# Altium PCB SI944D.PcbDoc (part 4 of 5) (continued)
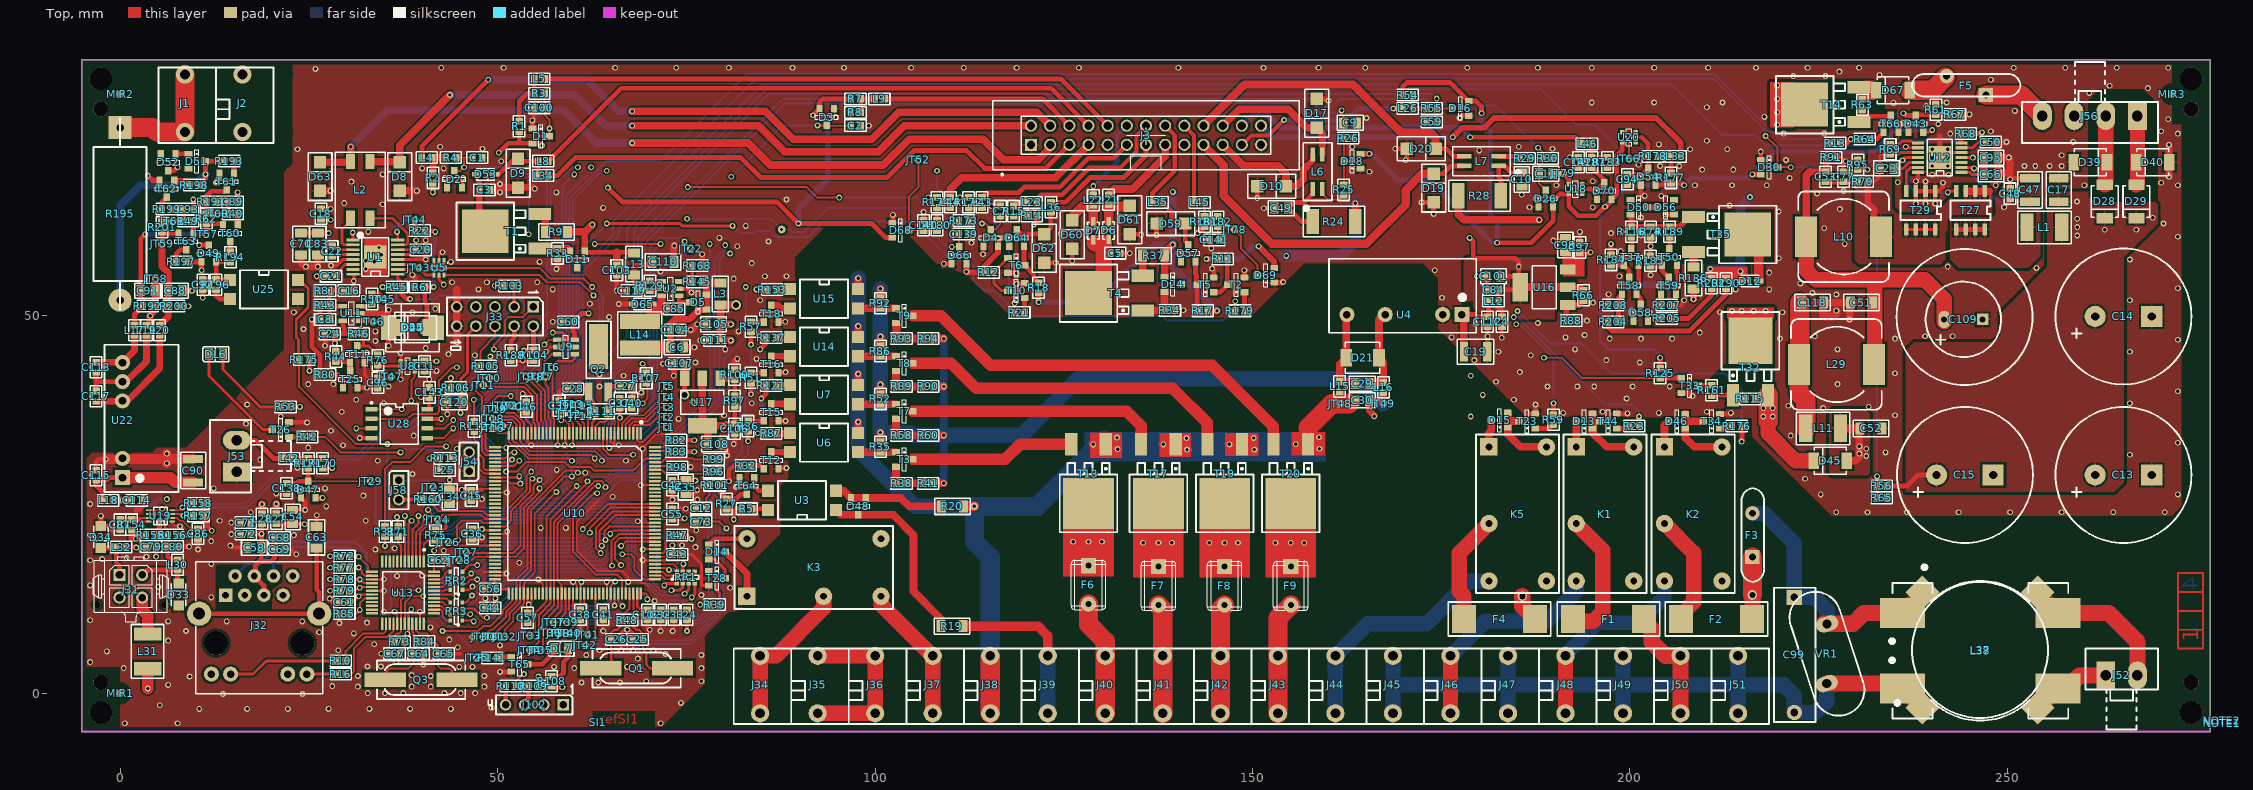
[diagram p0: Top view]
## Nets (pads, with @x,y where several pads share a name; then routed paths per layer and width w, separated by ;. In a path a pad name is that pad's centre, name@x,y a point inside that pad or via, vN(x,y) a via of type N, cw(c..) or ccw(c..) an arc to the next point about the centre after c; other vN are vias at no path point) (continued)
SIGNAL_DETECT_PRESENCE_2: J3.6 L9.1 | length 25.9
  Top w0.635: L9.1@101.255,78.74 122.18,78.74 J3.6@125.73,75.19
TELEINFO_A: J1.1 J1.2 R195.1 | length 16.4
  Top w2.54: R195.1@0,74.93 4.286,74.93 4.866,74.35 J1.1@8.58,74.35 J1.2@8.58,81.97
UC_24V_MON: D30.3 JT28.1 R56.1 R65.2 U10.66 | length 280
  Top w0.254: JT28.1@44.926,17.621 46.514,17.621 46.985,18.093 U10.66@49.632,18.093 52.383,18.093 53.499,19.209 53.499,24.606 55.562,26.67 v1(55.562,27.146) ; v1(217.964,73.819) 219.54,72.242 D30.3@219.54,69.691 v1(221.297,69.691)
  Top w0.508: R65.2@232.692,25.876 R56.1@232.692,27.464 232.692,28.539 232.727,28.575 v1(232.727,28.734)
  Bottom w0.254: v1(55.562,27.146) 56.674,28.258 56.674,36.989 60.874,41.189 60.874,56.302 65.278,60.706 65.278,62.484 84.201,81.407 211.01,81.407 217.964,74.454 v1(217.964,73.819) ; v1(221.297,69.691) 227.171,69.691 232.727,64.135 v1(232.727,28.734)
UC_+15VSP: JT23.1 R160.2 U10.55 | length 11.3
  Top w0.254: R160.2@41.469,25.717 41.469,24.888 42.227,24.13 48.101,24.13 48.638,23.593 U10.55@49.632,23.593
  Top w0.381: JT23.1@41.434,27.464 41.469,27.428 JT23.1@41.469,27.305 R160.2@41.469,25.717
UC_ALLPST: J33.5 U10.42 | length 31.6
  Top w0.254: U10.42@49.632,30.093 52.159,30.093 v1(52.864,30.797)
  Bottom w0.254: J33.5@49.657,51.181 48.419,49.943 48.419,47.625 49.054,46.99 50.006,46.99 50.454,46.542 50.454,41.088 47.149,37.782 47.149,33.972 50.969,30.152 52.218,30.152 v1(52.864,30.797)
UC_BATT_CTRL: JT24.1 R13.1 R64.1 U10.56 | length 238.4
  Top w0.254: JT24.1@42.069,23.019 42.704,23.654 47.784,23.654 48.345,23.093 U10.56@49.632,23.093 51.033,23.093 51.276,23.336 51.276,24.289 53.816,26.829 53.816,28.734 v1(54.451,29.369)
  Top w0.635: R13.1@227.842,72.866 228.695,72.866 v1(229.235,73.406) R64.1@230.434,73.406
  Bottom w0.254: v1(54.451,29.369) 55.245,30.162 55.245,37.465 59.531,41.751 59.531,65.564 64.453,70.485 71.501,70.485 83.058,82.042 211.169,82.042 219.805,73.406 v1(229.235,73.406)
UC_COMMANDE_SIRENE_EXT: JT22.1 R21.1 U10.11 | length 98.4
  Top w0.254: U10.11@63.982,34.443 63.982,32.379 64.77,31.591 v1(67.945,31.591) ; R21.1@118.455,50.419 118.491,50.455 v1(118.491,51.689)
  MidLayer1 w0.254: JT22.1@75.565,58.896 85.407,68.739 107.728,68.739 v1(108.204,69.215)
  Bottom w0.254: v1(67.945,31.591) 67.945,32.226 71.12,35.401 71.12,54.451 JT22.1@75.565,58.896 ; v1(108.204,69.215) 108.204,67.056 111.633,63.627 114.427,63.627 117.729,60.325 117.729,53.34 118.491,52.578 v1(118.491,51.689)
UC_COMMANDE_SIRENE_INT: JT27.1 R179.1 U10.65 | length 149.5
  Top w0.254: JT27.1@45.847,18.669 45.923,18.593 U10.65@49.632,18.593 52.089,18.593 53.023,19.526 53.023,24.765 54.769,26.511 54.769,27.464 v1(55.562,28.258) ; R179.1@147.665,50.673 147.701,50.709 v1(147.701,51.943)
  Top w0.381: v1(64.453,62.23) 74.136,62.23 74.454,61.912 v1(81.121,61.912)
  Bottom w0.254: v1(55.562,28.258) 56.197,28.892 56.197,37.148 60.47,41.42 60.47,58.247 v1(64.453,62.23) ; v1(81.121,61.912) 82.074,60.96 83.947,60.96 84.201,61.214 86.106,61.214 86.868,60.452 91.186,60.452 93.218,62.484 104.902,62.484 110.109,57.277 112.268,57.277 113.03,56.515 113.03,54.737 114.427,53.34 115.824,53.34 119.197,49.967 138.049,49.967 138.613,49.403 146.177,49.403 147.701,50.927 v1(147.701,51.943)
UC_COMPTEUR_GAZ: JT66.1 U10.103 U20.4 | length 211.1
  Top w0.254: v1(63.182,26.511) 62.706,26.511 60.008,23.812 60.008,18.732 63.024,15.716 65.881,15.716 66.482,15.115 U10.103@66.482,13.243 ; U20.4@198.966,74.31 199.866,73.41 JT66.1@199.866,70.802
  Bottom w0.254: v1(63.182,26.511) 62.706,26.511 62.389,26.194 59.214,26.194 58.579,26.829 58.579,31.274 59.372,32.067 60.325,32.067 62.706,34.449 62.706,42.862 67.151,47.307 67.151,61.563 85.598,80.01 188.214,80.01 192.913,75.311 195.358,75.311 JT66.1@199.866,70.802
UC_CUMULUS: JT34.1 R176.1 U10.84 | length 229.1
  Top w0.254: JT34.1@54.292,5.715 55.499,6.921 55.499,10.414 56.982,11.897 U10.84@56.982,13.243 56.982,23.01 61.912,27.94 v1(61.912,28.099)
  Top w0.635: v1(214.789,33.337) 214.824,33.373 R176.1@214.824,35.401
  MidLayer1 w0.254: v1(78.105,59.531) 78.105,60.452 85.915,68.263 123.634,68.263 128.524,63.373 144.018,63.373 147.066,60.325 148.082,60.325 149.511,61.754 171.609,61.754 178.911,54.451 180.181,54.451 183.991,50.641 v1(185.102,50.641)
  Bottom w0.254: v1(61.912,28.099) 62.465,28.651 64.37,28.651 65.405,29.686 68.421,29.686 78.105,39.37 v1(78.105,59.531) ; v1(185.102,50.641) 189.389,46.355 193.516,46.355 197.485,42.386 212.566,42.386 214.789,40.164 v1(214.789,33.337)
UC_DEBUG_RX: R109.1 U10.102 | length 29
  Top w0.254: v1(55.404,2.222) 55.439,2.187 R109.1@55.439,0.953 ; U10.102@65.982,13.243 65.982,12.123 v1(66.548,11.557)
  Bottom w0.254: v1(55.404,2.222) 54.769,1.587 53.023,1.587 52.546,2.064 52.546,8.096 56.039,11.589 63.976,11.589 64.77,12.383 66.199,12.383 66.548,12.033 v1(66.548,11.557)
UC_DEBUG_TX: R110.1 U10.101 | length 23.5
  Top w0.254: R110.1@52.423,0.953 52.423,1.623 53.34,2.54 v1(53.499,2.54) ; v1(65.482,11.634) U10.101@65.482,13.243
  Bottom w0.254: v1(53.499,2.54) 53.657,2.54 53.023,3.175 53.023,7.938 56.197,11.112 64.96,11.112 v1(65.482,11.634)
UC_DETECT_FUITE_1: C9.2 D18.3 JT30.1 R25.1 R26.2 U10.75 | length 173.3
  Top w0.254: JT30.1@48.101,7.461 49.054,8.414 49.371,8.414 51.117,10.16 51.117,10.795 52.482,12.16 U10.75@52.482,13.243 52.482,15.081 53.975,16.574 53.975,24.447 59.055,29.527 60.325,29.527 v1(60.642,29.21) ; v1(161.798,77.216) 161.798,76.683 162.027,76.454 C9.2@162.027,75.565 162.027,73.543 R26.2@162.016,73.533 162.095,73.454 162.095,67.389 R25.1@162.052,67.346
  Bottom w0.254: v1@60.642,29.051 v1(60.642,29.21) 60.642,29.972 65.491,34.821 65.491,42.069 69.532,46.11 69.532,59.627 88.011,78.105 155.829,78.105 157.048,76.886 161.468,76.886 v1(161.798,77.216)
UC_DETECT_FUITE_2: C11.2 D26.3 JT31.1 R29.1 R30.2 U10.76 | length 199.4
  Top w0.254: JT31.1@49.498,7.461 49.498,7.747 51.594,9.842 51.594,10.636 52.982,12.025 U10.76@52.982,13.243 52.982,14.922 54.451,16.392 54.451,24.289 58.896,28.734 v1(59.849,28.734) ; R29.1@186.726,70.866 R30.2@188.432,70.866 ; v1(187.833,72.263) 188.432,71.664 R30.2@188.432,70.866 ; D26.3@188.849,66.632 187.935,67.546 C11.2@187.935,68.834 187.96,68.859 187.96,69.723 188.432,70.195 R30.2@188.432,70.866
  Bottom w0.254: v1(59.849,28.734) 59.849,29.75 65.087,34.989 65.087,42.236 69.056,46.205 69.056,59.976 87.82,78.74 157.226,78.74 158.242,77.724 160.528,77.724 161.544,78.74 172.847,78.74 173.736,77.851 182.245,77.851 v1(187.833,72.263)
UC_DETECT_PLUIE: C59.1 D16.3 JT37.1 R55.2 U10.87 | length 183.9
  Top w0.254: JT37.1@57.404,9.398 57.404,9.906 58.482,10.984 U10.87@58.482,13.243 58.482,14.351 57.944,14.889 57.944,22.543 62.865,27.464 v1(63.341,27.464) ; C59.1@174.407,75.692 R55.2@174.407,77.47 ; v1(174.407,78.776) R55.2@174.407,77.47 ; D16.3@176.446,77.47 R55.2@174.407,77.47
  Bottom w0.254: v1(63.341,27.464) 62.865,27.464 62.071,26.67 59.531,26.67 59.055,27.146 59.055,31.115 59.531,31.591 60.484,31.591 64.185,35.292 64.185,42.595 68.104,46.514 68.104,61.627 85.852,79.375 173.807,79.375 v1(174.407,78.776)
UC_DETECT_VENT: JT79.1 U10.58 U18.4 | length 185.2
  Top w0.254: U10.58@49.632,22.093 50.985,22.093 51.752,22.86 51.752,24.13 54.292,26.67 54.292,28.099 v1(54.61,28.416)
  Top w0.635: JT79.1@191.135,68.897 191.911,68.122 U18.4@191.911,67.477
  MidLayer1 w0.254: v1(64.453,69.215) 64.442,69.215 64.918,69.691 106.521,69.691 107.696,70.866 111.093,70.866 112.268,69.691 129.032,69.691 130.778,67.945 187.452,67.945 188.404,68.897 JT79.1@191.135,68.897
  Bottom w0.254: v1(54.61,28.416) 55.721,29.527 55.721,37.306 60.008,41.593 60.008,65.405 63.817,69.215 v1(64.453,69.215)
UC_EV: JT36.1 R39.1 U10.86 | length 30.5
  Top w0.254: JT36.1@56.896,8.001 56.515,8.382 56.515,9.906 57.982,11.373 U10.86@57.982,13.243 ; v1(76.835,11.747) R39.1@78.069,11.747
  Bottom w0.254: JT36.1@56.896,8.001 56.356,8.541 56.356,9.684 57.339,10.666 75.754,10.666 v1(76.835,11.747)
UC_FEC_COL: U10.109 U13.42 | length 34.6
  Top w0.254: U13.42@41.586,13.085 44.344,13.085 v1(44.552,12.878) ; v1(66.516,18.415) 67.627,18.415 68.104,17.939 68.104,16.363 69.374,15.093 U10.109@70.832,15.093
  Bottom w0.254: v1(44.552,12.878) 45.415,12.014 46.812,12.014 49.022,14.224 51.943,14.224 54.737,17.018 64.008,17.018 65.405,18.415 v1(66.516,18.415)
UC_FEC_CRS: RR3.5 U10.108 | length 28.5
  Top w0.254: U10.108@68.982,13.243 69.625,13.243 69.85,13.018 v1(69.85,12.446)
  Top w0.305: RR3.5@45.326,11.246 46.857,11.246 48.101,10.001 v1(48.578,10.001)
  Bottom w0.254: v1(48.578,10.001) 50.8,10.001
  Bottom w0.305: 50.8,10.001 54.292,13.494 68.802,13.494 v1(69.85,12.446)
UC_FEC_MDC: U10.128 U13.31 | length 41.5
  Top w0.254: U13.31@37.715,9.214 37.715,11.997 38.576,12.859 v1(40.164,12.859) ; v1(62.23,21.273) 62.23,21.894 64.929,24.593 U10.128@70.832,24.593
  Bottom w0.254: v1(40.164,12.859) 40.64,13.335 42.545,13.335 49.244,20.034 60.992,20.034 v1(62.23,21.273)
UC_FEC_MDIO: R73.1 U10.129 U13.30 | length 45.4
  Top w0.254: R73.1@36.354,6.826 36.354,7.62 36.671,7.938 36.989,7.938 37.215,8.164 U13.30@37.215,9.214 37.215,12.383 38.485,13.652 v1(39.529,13.652) ; v1(61.277,21.749) 64.622,25.093 U10.129@70.832,25.093
  Bottom w0.254: v1(39.529,13.652) 39.846,13.97 42.418,13.97 48.99,20.542 60.706,20.542 61.277,21.114 v1(61.277,21.749)
UC_FEC_RXCLK: RR3.1 U10.120 | length 33
  Top w0.254: RR3.1@45.326,9.646 46.71,9.646 v1(46.831,9.525) ; v1(66.358,16.986) 65.564,17.78 65.564,19.958 66.199,20.593 U10.120@70.832,20.593
  Bottom w0.254: v1(46.831,9.525) 48.482,11.176 50.324,11.176 55.181,16.034 65.405,16.034 v1(66.358,16.986)
UC_FEC_RXD0: RR2.7 U10.122 | length 27.8
  Top w0.254: v1(64.929,21.114) 65.408,21.593 U10.122@70.832,21.593
  Top w0.305: RR2.7@45.339,16.116 46.209,16.986 v1(47.307,16.986)
  Bottom w0.254: v1(47.307,16.986) 49.847,19.526 61.595,19.526 63.182,21.114 v1(64.929,21.114)
UC_FEC_RXD1: RR2.5 U10.123 | length 29.2
  Top w0.254: RR2.5@45.339,15.316 45.955,15.316 v1(46.514,15.875) ; v1(64.294,20.32) 64.135,20.479 64.135,21.458 64.77,22.093 U10.123@70.832,22.093
  Bottom w0.254: v1(46.514,15.875) 46.831,16.192 47.625,16.192 50.482,19.05 61.912,19.05 63.182,20.32 v1(64.294,20.32)
UC_FEC_RXD2: RR2.3 U10.126 | length 30.9
  Top w0.254: RR2.3@45.339,14.516 45.891,14.516 46.457,15.081 v1(47.307,15.081) ; v1(63.817,19.526) 63.5,19.844 63.5,21.529 65.564,23.593 U10.126@70.832,23.593
  Bottom w0.254: v1(47.307,15.081) 50.8,18.574 62.23,18.574 63.182,19.526 v1(63.817,19.526)
UC_FEC_RXD3: RR2.1 U10.127 | length 32.6
  Top w0.254: v1(63.659,18.574) 63.024,19.209 63.024,21.87 65.246,24.093 U10.127@70.832,24.093
  Top w0.305: RR2.1@45.339,13.716 46.26,13.716 v1(46.672,14.129)
  Bottom w0.254: v1(46.672,14.129) 47.307,14.129 51.276,18.098 63.182,18.098 v1(63.659,18.574)
UC_FEC_RXDV: RR3.3 U10.121 | length 32
  Top w0.254: RR3.3@45.326,10.446 46.361,10.446 v1(46.38,10.465) ; v1(65.167,16.907) 65.246,16.986 65.087,17.145 65.087,20.14 66.04,21.093 U10.121@70.832,21.093
  Bottom w0.254: v1(46.38,10.465) 47.6,11.684 50.102,11.684 54.927,16.51 64.77,16.51 v1(65.167,16.907)
UC_FEC_RXER: RR3.7 U10.119 | length 28.9
  Top w0.254: RR3.7@45.326,12.046 45.828,12.046 46.609,12.827 v1(46.609,12.954) ; v1@66.373,19.51 66.956,20.093 U10.119@70.832,20.093
  Bottom w0.254: v1(46.609,12.954) 46.863,12.954 48.768,14.859 51.816,14.859 54.483,17.526 63.881,17.526 65.881,19.526 v1(66.358,19.526)
UC_FEC_TXCLK: R75.1 U10.117 | length 33.8
  Top w0.254: v1(69.215,19.05) 69.258,19.093 U10.117@70.832,19.093
  Top w0.381: R75.1@41.783,21.626 42.898,21.626 43.18,21.907 v1(43.18,22.86)
  Bottom w0.254: v1(43.18,22.86) 44.074,23.754 53.314,23.754 53.95,24.389 65.304,24.389 69.215,20.479 v1(69.215,19.05)
UC_FEC_TXD0: RR1.1 U13.3 | length 47
  Top w0.254: U13.3@39.215,17.456 39.215,21.308 40.164,22.257 40.164,23.019 v1(40.481,23.336)
  Top w0.381: v1(72.072,14.287) 72.352,14.567 RR1.1@73.73,14.567
  Bottom w0.254: v1(40.481,23.336) 41.116,23.336 41.938,24.158 53.147,24.158 53.783,24.793 65.535,24.793 71.12,19.209 71.12,15.875 72.072,14.922 v1(72.072,14.287)
UC_FEC_TXD1: RR1.3 U13.4 | length 50.6
  Top w0.254: U13.4@38.715,17.456 38.715,21.697 39.497,22.479 v1@39.497,23.495
  Top w0.381: v1(73.025,13.652) 74.136,13.652 74.53,14.046 RR1.3@74.53,14.567
  Bottom w0.254: v1@39.497,23.495 v1@39.529,23.463 ; v1(39.529,23.495) v1@39.529,23.463 ; v1(73.025,13.652) 72.866,13.494 71.755,13.494 68.199,17.05 68.199,20.891 65.105,23.985 54.117,23.985 53.482,23.35 45.099,23.35 43.815,22.066 40.164,22.066 39.529,22.701 v1@39.529,23.463
UC_FEC_TXD2: RR1.5 U13.5 | length 51.5
  Top w0.254: U13.5@38.215,17.456 38.215,22.467 v1(38.608,22.86)
  Top w0.381: v1(74.771,13.176) 75.33,13.735 RR1.5@75.33,14.567
  Bottom w0.254: v1(38.608,22.86) 39.878,21.59 43.974,21.59 45.33,22.946 53.649,22.946 54.284,23.581 64.937,23.581 67.786,20.733 67.786,16.828 71.66,12.954 74.549,12.954 v1(74.771,13.176)
UC_FEC_TXD3: RR1.7 U13.6 | length 56.3
  Top w0.254: U13.6@37.715,17.456 37.719,17.46 v1(37.719,23.495)
  Top w0.381: RR1.7@76.13,14.567 76.13,13.106 v1(75.724,12.7) ; v1(75.724,12.7) 75.724,12.541 75.644,12.621 v1(75.724,12.7)
  Bottom w0.254: v1(37.719,23.495) 37.719,22.606 39.211,21.114 44.133,21.114 45.561,22.543 53.816,22.543 54.451,23.177 64.77,23.177 67.31,20.637 67.31,16.669 71.66,12.319 75.343,12.319 v1(75.724,12.7) ; v1(75.724,12.7) 75.882,12.7 75.724,12.541 v1(75.724,12.7)
UC_FEC_TXEN: R47.2 U13.2 | length 46.4
  Top w0.254: U13.2@39.715,17.456 39.715,21.237 41.275,22.797 41.275,23.812 v1(40.799,24.289)
  Top w0.381: R47.2@74.489,20.955 75.184,20.955 v1(75.692,20.447)
  Bottom w0.254: v1(40.799,24.289) 41.434,24.289 41.707,24.562 52.98,24.562 53.691,25.273 67.278,25.273 72.104,20.447 v1(75.692,20.447)
UC_FLASH_CS: U10.23 U28.1 | length 28.4
  Top w0.254: U28.1@33.289,37.624 v1(37.306,37.624) ; v1(57.944,32.861) 58.102,32.861 57.982,32.982 U10.23@57.982,34.443
  MidLayer2 w0.254: v1(37.306,37.624) 41.275,33.655 57.15,33.655 v1(57.944,32.861)
UC_FP_SDB1: JT39.1 R51.1 U10.89 | length 56.2
  Top w0.254: JT39.1@59.182,9.398 59.182,9.779 59.482,10.079 U10.89@59.482,13.243
  Top w0.635: v1(83.566,39.624) R51.1@83.566,41.112
  Bottom w0.254: JT39.1@59.182,9.398 59.182,9.652 59.244,9.714 77.056,9.714 78.422,11.08 78.422,27.94 82.391,31.909 82.391,33.972 82.804,34.385 82.804,38.862 v1(83.566,39.624)
UC_FP_SDB2: JT38.1 R57.1 U10.88 | length 66.8
  Top w0.254: JT38.1@58.261,7.938 58.261,9.874 58.982,10.595 U10.88@58.982,13.243
  Top w0.635: v1(83.566,46.196) R57.1@83.566,47.879
  Bottom w0.254: JT38.1@58.261,7.938 58.261,9.874 58.577,10.19 76.961,10.19 77.946,11.175 77.946,28.416 78.74,29.21 78.74,32.022 82.119,35.401 82.119,41.86 83.566,43.307 v1(83.566,46.196)
UC_FP_ZJ: JT41.1 R32.1 U10.93 | length 46
  Top w0.254: U10.93@61.482,13.243 61.482,12.019 61.912,11.589 JT41.1@61.912,7.779
  Top w0.635: v1(80.645,28.099) 80.645,29.527 81.28,30.162 R32.1@82.197,30.162
  Bottom w0.254: JT41.1@61.912,7.779 62.706,6.985 75.47,6.985 79.375,10.89 79.375,26.829 v1(80.645,28.099)
UC_FP_ZN: JT40.1 R36.1 U10.90 | length 51.7
  Top w0.254: JT40.1@59.69,7.938 59.69,8.414 59.982,8.706 U10.90@59.982,13.243
  Top w0.635: v1(83.185,33.401) R36.1@83.185,34.731
  Bottom w0.254: JT40.1@59.69,7.938 59.69,8.414 60.514,9.237 77.151,9.237 78.899,10.985 78.899,27.464 83.185,31.75 v1(83.185,33.401)
UC_IHM_ERR: JT20.1 R45.1 U1.1 U10.32 | length 40
  Top w0.254: JT20.1@50.8,38.1 50.8,37.465 51.117,37.148 52.229,37.148 53.482,35.894 U10.32@53.482,34.443 ; JT20.1@50.8,38.259 JT20.1@50.879,38.179
  Top w0.381: 36.784,54.941 U1.1@36.784,55.51
  Top w0.508: 36.784,54.941 37.306,54.419 R45.1@37.306,54.292
  Top w0.635: R45.1@37.306,54.292 37.306,52.864 37.941,52.229 v1(38.417,52.229)
  Bottom w0.254: v1(38.417,52.229) 41.751,52.229 42.217,52.695 52.536,52.695 53.499,51.732 53.499,46.831 51.738,45.071 51.738,40.467 50.8,39.529 JT20.1@50.8,38.259
UC_IHM_POL_TX: JT15.1 U5.6 U10.15 | length 40.9
  Top w0.254: U5.6@42.878,55.406 55.56,55.406 56.515,54.451 60.96,54.451 v1(62.706,52.705) ; JT15.1@61.119,38.1 61.982,37.237 U10.15@61.982,34.443
  Bottom w0.254: JT15.1@61.119,38.1 61.754,38.735 61.754,43.18 63.5,44.926 63.5,51.911 v1(62.706,52.705)
UC_IHM_RX: JT13.1 U8.4 U10.17 | length 33.9
  Top w0.254: v1(38.576,38.735) 38.576,41.486 39,41.91 U8.4@39,42.689 ; JT13.1@59.849,38.259 60.325,37.624 60.325,36.195 60.982,35.538 U10.17@60.982,34.443
  MidLayer2 w0.254: v1(38.576,38.735) 38.576,37.624 42.069,34.131 53.499,34.131 57.626,38.259 JT13.1@59.849,38.259
UC_IHM_TX: JT14.1 U5.1 U5.3 U10.16 | length 45.6
  Top w0.254: U5.3@41.577,57.306 41.577,56.689 41.91,56.356 42.878,56.356 ; U5.1@42.878,57.306 42.878,56.356 ; JT14.1@60.96,36.703 JT14.1@61.055,36.608 ; JT14.1@61.151,36.703 61.151,36.005 61.482,35.673 U10.16@61.482,34.443 ; v1@62.706,53.657 v1(62.547,53.816) 61.436,54.927 56.991,54.927 55.562,56.356 42.878,56.356
  Bottom w0.254: JT14.1@60.96,36.703 JT14.1@61.151,36.703 62.23,37.782 62.23,43.021 63.976,44.767 63.976,52.546 62.706,53.816 v1(62.547,53.816)
UC_LED: JT25.1 R141.1 U10.57 | length 32.8
  Top w0.254: v1(44.767,20.32) 44.609,20.479 44.609,22.225 45.244,22.86 47.784,22.86 48.051,22.593 U10.57@49.632,22.593
  Top w0.635: JT25.1@47.244,4.699 R141.1@48.641,4.699
  Bottom w0.254: v1(44.767,20.32) 44.767,19.844 43.942,19.018 43.942,16.256 42.291,14.605 39.052,14.605 38.735,14.287 38.735,13.018 39.688,12.065 40.481,12.065 47.244,5.302 JT25.1@47.244,4.699
UC_MACHINES_LAVER: JT35.1 R59.1 U10.85 | length 201.2
  Top w0.254: JT35.1@55.721,5.715 56.007,6.001 56.007,10.16 57.482,11.635 U10.85@57.482,13.243 57.482,22.716 62.909,28.143 63.729,28.143 64.294,27.578 v1(64.294,27.305)
  Top w0.635: R59.1@189.849,36.901 189.849,38.401 v1(189.865,38.417)
  MidLayer1 w0.254: v1(80.804,58.261) 82.074,58.261 83.248,59.436 83.248,60.261 84.328,61.341 84.328,64.77 86.614,67.056 122.682,67.056 127.762,61.976 143.51,61.976 146.685,58.801 148.336,58.801 150.336,60.801 171.291,60.801 178.449,53.644 179.719,53.644 184.467,48.895 v1(184.944,48.895)
  Bottom w0.254: v1(64.294,27.305) 65.722,28.734 69.056,28.734 79.375,39.052 79.375,57.468 80.169,58.261 v1(80.804,58.261) ; v1(184.944,48.895) 185.42,48.895 189.865,44.45 v1(189.865,38.417)
UC_OUVERTURE_DETECT_PRESENCE_1: C139.1 D66.3 JT53.1 R173.2 U10.45 | length 108.1
  Top w0.254: U10.45@49.632,28.593 52.723,28.593 v1(52.864,28.734) v1@52.864,28.575 ; v1(110.152,59.139) D66.3@111.125,59.139 111.125,60.797 C139.1@111.089,60.833 R173.2@111.089,62.611
  MidLayer1 w0.254: v1(60.166,68.739) 60.96,67.945 70.009,67.945 v1(75.089,62.865)
  Bottom w0.254: v1@52.864,28.575 v1(52.864,28.734) 52.864,29.686 53.657,30.48 53.657,31.909 53.181,32.385 53.181,35.084 54.134,36.036 54.134,37.624 58.589,42.079 58.589,67.162 v1(60.166,68.739) ; v1(75.089,62.865) 86.201,62.865 JT53.1@87.63,61.436 88.678,61.436 89.027,61.087 90.551,61.087 93.726,64.262 104.394,64.262 109.517,59.139 v1(110.152,59.139)
UC_OUVERTURE_DETECT_PRESENCE_2: C140.1 D68.3 JT52.1 R180.2 U10.46 | length 107
  Top w0.254: U10.46@49.632,28.093 51.435,28.093 51.747,27.781 v1(53.023,27.781) ; JT52.1@105.727,70.644 105.727,67.035 104.478,65.786 D68.3@104.478,61.341 106.39,61.341 C140.1@106.426,61.305 R180.2@108.204,61.305
  MidLayer1 w0.254: v1(62.389,69.691) 62.865,70.168 105.251,70.168 JT52.1@105.727,70.644
  Bottom w0.254: v1(53.023,27.781) 53.657,28.416 53.657,29.845 54.134,30.321 54.134,32.067 53.657,32.544 53.657,34.766 54.61,35.719 54.61,37.465 59.055,41.91 59.055,65.881 62.389,69.215 v1(62.389,69.691)
UC_OUVERTURE_SIRENE_EXT: C7.1 D4.3 JT16.1 R15.2 U10.36 | length 102.9
  Top w0.254: JT16.1@49.371,35.242 50.171,34.443 U10.36@51.482,34.443 51.482,33.29 51.954,32.819 52.335,32.819 54.039,31.115 59.531,31.115 v1(59.849,30.797) ; v1(75.184,67.056) 90.932,67.056 92.329,65.659 v1(95.25,65.659) ; v1(114.173,62.23) 114.681,62.23 115.316,61.595 D4.3@115.316,61.425 115.908,61.425 116.586,62.103 C7.1@116.586,63.21 R15.2@118.364,63.21
  Bottom w0.254: v1(59.849,30.797) 60.325,30.797 64.661,35.133 64.661,42.436 68.58,46.355 68.58,60.452 v1(75.184,67.056) ; v1(95.25,65.659) 105.537,65.659 106.553,64.643 107.823,64.643 110.236,62.23 v1(114.173,62.23)
UC_OUVERTURE_SIRENE_INT: C141.1 D69.3 JT78.1 R182.2 U10.37 | length 147.7
  Top w0.254: U10.37@49.632,32.593 51.008,32.593 51.117,32.703 51.117,32.544 v1(51.156,32.506) ; C141.1@145.578,60.071 145.578,61.051 145.415,61.214 R182.2@145.415,61.813 146.304,61.813 146.681,61.436 JT78.1@147.637,61.436 148.463,60.611 148.463,58.928 150.665,56.726 D69.3@150.665,55.372
  MidLayer1 w0.254: v1(60.642,69.691) 61.912,68.421 64.929,68.421 65.722,69.215 106.807,69.215 107.823,70.231 110.49,70.231 111.506,69.215 123.881,69.215 128.834,64.262 144.812,64.262 JT78.1@147.637,61.436
  Bottom w0.254: v1(51.156,32.506) 51.117,32.544 51.117,33.655 53.657,36.195 53.657,37.782 58.102,42.227 58.102,54.451 56.991,55.562 56.991,66.834 59.849,69.691 v1(60.642,69.691)
UC_OUVERTURE_TABLEAU_DOMOTIQUE: C138.1 D47.3 JT29.1 R171.2 U10.74 | length 50.5
  Top w0.254: D47.3@24.924,28.088 JT29.1@33.179,28.088 ; v1(42.704,8.255) 47.466,8.255 48.101,8.89 49.054,8.89 50.641,10.477 50.641,10.954 51.982,12.295 U10.74@51.982,13.243
  Top w0.635: C138.1@22.066,27.817 23.372,27.817 23.643,28.088 D47.3@24.924,28.088 R171.2@24.924,29.809
  Bottom w0.254: JT29.1@33.179,28.099 33.814,27.464 33.814,22.701 37.782,18.732 37.782,10.636 38.894,9.525 41.434,9.525 42.545,8.414 42.545,8.255 v1(42.704,8.255)
UC_PRISES_SECURITE: JT33.1 R23.1 U10.83 | length 208.6
  Top w0.254: JT33.1@54.292,7.62 54.991,8.319 54.991,10.7 56.482,12.191 U10.83@56.482,13.243 56.482,23.462 v1(60.484,27.464)
  Top w0.635: v1(201.2,36.671) 201.2,35.437 R23.1@201.236,35.401
  MidLayer1 w0.254: v1(80.169,59.372) 82.074,61.277 82.074,63.532 86.233,67.691 123.19,67.691 128.143,62.738 143.637,62.738 146.812,59.563 148.336,59.563 150.05,61.277 171.45,61.277 178.68,54.047 179.95,54.047 184.165,49.832 v1(184.611,49.832)
  Bottom w0.254: v1(60.484,27.464) 60.556,27.391 62.158,27.391 62.909,28.143 64.497,28.143 65.564,29.21 68.739,29.21 78.74,39.211 78.74,57.468 80.169,58.896 v1(80.169,59.372) ; v1@184.611,49.919 184.38,49.919 184.466,49.832 v1(184.611,49.832) 185.118,49.832 196.691,38.259 200.247,38.259 201.2,37.306 v1(201.2,36.671)
UC_R\E\S\E\T\: C120.2 J33.8 R31.1 R106.1 U10.141 | length 64.4
  Top w0.254: R31.1@35.084,22.102 35.084,29.686 36.036,30.639 38.417,30.639 40.481,32.703 v1(43.18,32.703) ; v1(51.117,29.369) 52.546,29.369 53.816,30.639 58.896,30.639 59.531,30.004 62.274,30.004 62.751,29.527 67.945,29.527 69.51,31.093 U10.141@70.832,31.093
  Top w0.381: C120.2@45.047,38.735 45.047,37.186 v1(45.085,37.148) ; R106.1@45.121,40.481 45.121,41.628 46.038,42.545 46.038,47.561 J33.8@47.117,48.641 ; C120.2@45.206,38.576 R106.1@45.206,40.481
  Bottom w0.254: v1(43.18,32.703) 44.053,33.576 45.085,33.576 ; v1(45.085,37.148) 45.085,33.576 ; v1@51.132,29.383 46.939,33.576 45.085,33.576
UC_SCL: JT10.1 R157.1 U10.28 U19.3 | length 66.2
  Top w0.254: U19.3@6.884,23.745 8.164,23.745 8.414,23.495 R157.1@9.708,23.495 ; JT10.1@48.895,41.751 49.574,41.072 53.67,41.072 55.245,39.497 55.245,36.036 55.482,35.799 U10.28@55.482,34.443
  Bottom w0.254: v1(8.407,23.52) 8.407,23.501 8.414,23.495 7.938,23.495 7.461,23.971 7.461,24.987 7.874,25.4 9.049,25.4 9.335,25.114 16.605,25.114 22.955,31.464 31.305,31.464 35.242,35.401 38.259,35.401 41.593,38.735 43.656,38.735 46.672,41.751 JT10.1@48.895,41.751
UC_SDA: JT11.1 R158.1 U10.29 U19.4 | length 62
  Top w0.254: U19.4@6.884,24.245 7.989,24.245 v1@8.509,24.765 ; JT11.1@48.101,40.799 48.304,40.596 53.511,40.596 54.737,39.37 54.737,35.909 54.982,35.664 U10.29@54.982,34.443
  Top w0.381: v1@8.509,24.765 8.89,25.146 R158.1@9.708,25.146
  Bottom w0.254: v1(8.255,24.606) 16.859,24.606 23.209,30.956 31.591,30.956 35.56,34.925 38.576,34.925 41.91,38.259 43.974,38.259 46.514,40.799 JT11.1@48.101,40.799
UC_SECTEUR_SYNC: C12.2 C73.2 JT42.1 R101.2 U10.96 | length 47.3
  Top w0.254: JT42.1@61.595,6.35 62.23,6.35 62.982,7.102 U10.96@62.982,13.243 ; R101.2@78.069,27.559 78.069,26.289 77.633,25.852 C12.2@77.633,24.511 C73.2@77.633,22.733 79.375,22.733 80.264,21.844 v1(80.328,21.844)
  Bottom w0.254: JT42.1@61.595,6.35 62.23,6.35 62.389,6.509 75.565,6.509 79.851,10.795 79.851,21.368 v1(80.328,21.844)
UC_SIGNAL_DETECT_OUVERTURE_MAISON: C1.1 D2.3 JT19.1 R4.2 U10.33 | length 91.2
  Top w0.254: D2.3@44.291,69.204 45.074,69.204 v1(45.561,69.691) 45.561,70.961 ; R4.2@44.486,70.961 45.561,70.961 ; C1.1@46.637,70.961 45.561,70.961 ; JT19.1@49.847,37.306 50.482,36.671 52.102,36.671 52.982,35.791 U10.33@52.982,34.443 52.982,33.337 54.252,32.067 62.928,32.067 63.817,31.178 v1(63.817,30.797) ; v1(62.865,59.531) v1(71.596,59.531)
  MidLayer1 w0.254: v1(54.134,60.801) 60.325,60.801 61.595,59.531 v1(62.865,59.531)
  Bottom w0.254: v1(45.561,69.691) 53.023,69.691 54.134,68.58 v1(54.134,60.801) ; v1(63.817,30.797) 64.135,31.115 66.199,31.115 70.644,35.56 70.644,58.579 v1(71.596,59.531)
UC_SIGNAL_DETECT_PRESENCE_1: C100.1 D1.3 JT18.1 R3.2 U10.34 | length 54.4
  Top w0.254: JT18.1@49.371,36.195 51.911,36.195 52.482,35.624 U10.34@52.482,34.443 ; R3.2@56.201,79.47 C100.1@56.201,77.565 56.201,76.672 56.872,76.002 v1(56.872,74.811) 56.872,73.87 D1.3@56.821,73.819
  Bottom w0.254: JT18.1@49.371,36.195 49.53,36.354 52.387,36.354 53.181,37.148 53.181,38.417 52.546,39.052 52.546,42.069 54.61,44.133 54.61,46.355 56.525,48.27 56.525,69.374 56.872,69.721 v1(56.872,74.811)
UC_SIGNAL_DETECT_PRESENCE_2: C2.1 D3.3 JT17.1 R8.2 U10.35 | length 85
  Top w0.254: JT17.1@50.641,35.56 51.752,35.56 51.982,35.33 U10.35@51.982,34.443 51.982,33.425 52.185,33.223 52.502,33.223 54.134,31.591 62.389,31.591 v1(62.865,31.115) ; v1(92.372,75.227) D3.3@93.599,75.227 93.642,75.184 C2.1@96.738,75.184 R8.2@96.738,76.962
  MidLayer1 w0.254: v1(74.771,59.849) 75.724,59.849 80.962,65.087 v1(80.962,68.421)
  Bottom w0.254: v1(62.865,31.115) 63.352,31.602 65.892,31.602 70.168,35.877 70.168,59.055 71.438,60.325 74.295,60.325 v1(74.771,59.849) ; v1(80.962,68.421) 87.768,75.227 v1(92.372,75.227)